# KiCad board ZX-Spectrum-Pentagon.kicad_pcb (continued)
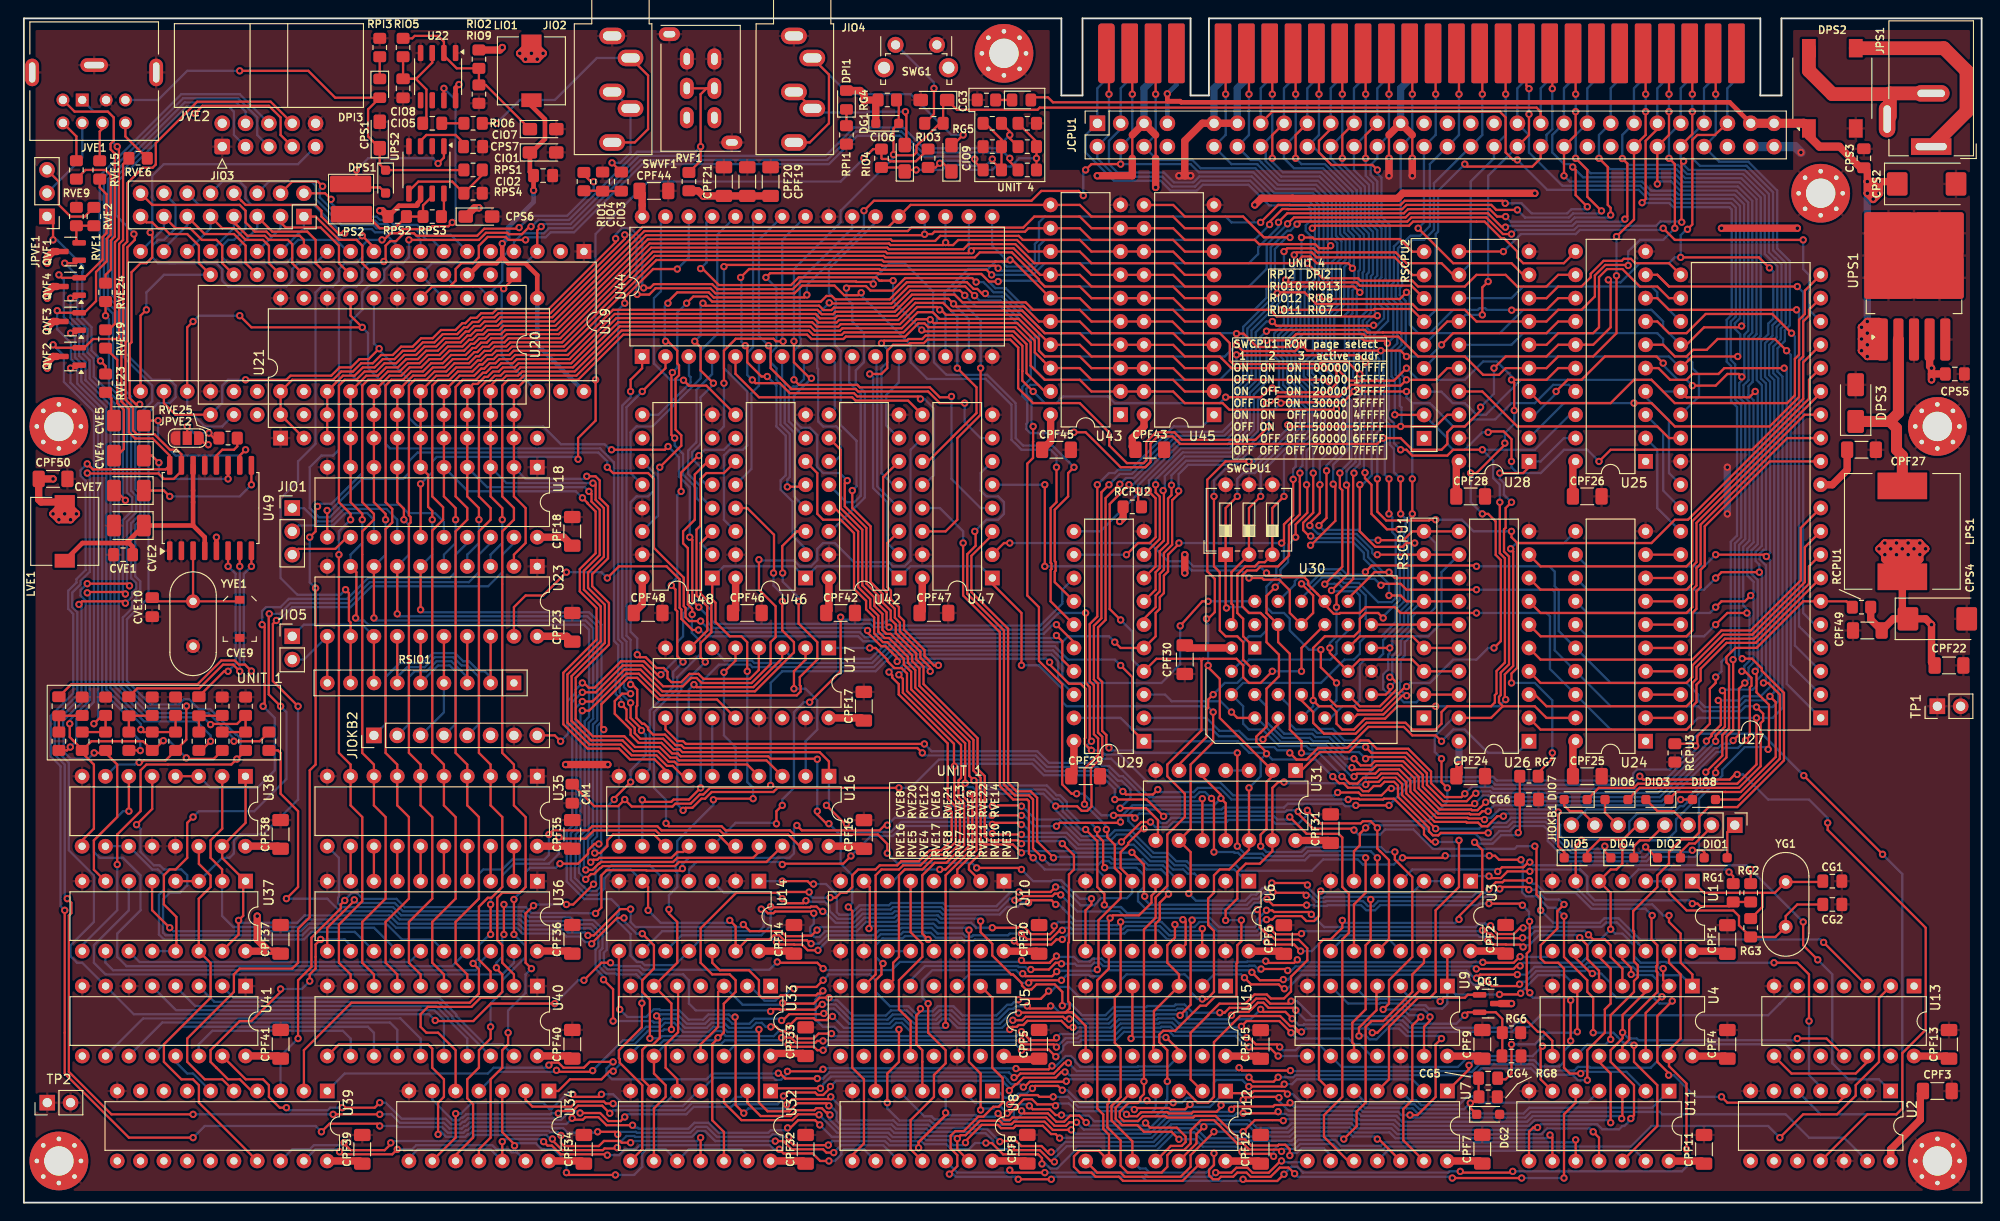
[diagram p0: board, top side]
## Routing (per net, layer and track width the routed paths; a pad name or vN(x,y) marks a point on that pad's centre or on a via; arc(x,y) is an arc through that point) (continued)
/SA11: length 100.9
  Top w0.25: v1(103.71,36.46) 108.41,36.46 v1(108.59,36.29) ; v1(72.74,64.07) 72.74,64.7 72.27,65.17 72.27,71.29 71.75,71.81 71.75,73.12 73.03,74.39 73.03,79.31 74.45,80.74 U48.6 ; v1(93.98,38.07) 93.98,39.07 92.95,40.1 83.82,40.1 83.37,40.55 76.39,40.55 75.94,41 70.22,41 v1(69.9,41.32) ; 115.56,27.39 115.56,31.83 116.21,32.48 v1(116.21,33.11)
  Bottom w0.25: v1(116.21,33.11) 114.94,33.11 112.94,35.11 112,35.11 111.91,35.02 109.86,35.02 v1(108.59,36.29) ; v1(93.98,38.07) 95.03,37.01 103.16,37.01 v1(103.71,36.46) ; v1(72.74,64.07) 72.7,64.03 72.7,62.08 73.66,61.12 73.66,59.78 71.12,57.24 71.12,55.97 68.58,53.43 68.58,45.18 69.9,43.86 v1(69.9,41.32)
/SA12: length 157.2
  Top w0.25: v1(95.25,45.18) 82.03,45.18 81.58,44.73 74.87,44.73 74.15,44 73.76,44 72.76,43.01 72.03,43.01 v1(71.75,42.74) ; v1(74.17,58.9) 73.66,59.4 73.66,60.95 74.84,62.12 74.84,65.16 73.66,66.33 73.66,71.85 U48.3 ; v1(119.62,44.79) 119.96,44.45 122.89,44.45 v1(123.43,44.99) ; U7.4 148.59,13.43 148.59,19.14 151.77,22.32 153.03,22.32 153.67,22.95 153.67,31.84 156.21,34.38 v1(156.21,39.46) ; v1(144.15,43.91) 144.24,44 145.28,44 145.37,43.91 147.96,43.91 148.05,44 149.14,44 152.4,40.73 152.4,40.1 153.21,39.29 v1(153.64,39.29)
  Bottom w0.25: v1(119.62,44.79) 117.75,46.66 117,46.66 116.65,47 111.2,47 109.94,48.26 99.6,48.26 96.52,45.18 v1(95.25,45.18) ; v1(123.43,44.99) 123.7,44.72 127.33,44.72 127.78,45.17 130.18,45.17 131.45,43.91 v1(144.15,43.91) ; v1(74.17,58.9) 74.17,58.89 71.57,56.3 71.57,55.79 71.12,55.34 71.12,43.37 v1(71.75,42.74) ; v1(156.21,39.46) 156.03,39.29 v1(153.64,39.29)
/SCRSEL: length 43.4
  Top w0.25: v1(71.75,58.9) 71.12,59.52 71.12,64.41 70.92,64.61 70.92,66.79 v1(70.48,67.23) ; v1(71.54,77.48) 71.54,79.52 73.4,81.38 v1(73.48,81.38)
  Bottom w0.25: v1(73.48,81.38) 73.48,81.38 74.11,82.01 76.2,82.01 U46.10 ; v1(70.48,67.23) 70.48,67.46 71.12,68.1 71.12,77.06 v1(71.54,77.48) ; v1(71.75,58.9) 70.67,57.82 70.67,56.16 68.13,53.62 68.13,47.27 U16.9
/TTLB: length 117.4
  Top w0.25: RVE4.2 8.89,48.99 ; 8.89,48.99 v1(7.65,48.99) ; 8.89,48.99 10.16,47.72 10.16,42 7.62,39.46 7.62,36.26 8.88,35.01 ; v1(11.49,67.19) 11.26,67.42 v1(6.9,67.42)
  Bottom w0.25: v1(6.9,67.42) 6.87,67.42 6.17,66.72 6.17,66.12 6.72,65.57 6.72,54.92 4.27,52.47 4.27,51.86 4.33,51.8 4.33,49.11 5.08,48.35 7.01,48.35 v1(7.65,48.99) ; v1(11.49,67.19) 11.22,67.46 11.22,74.18 12.22,75.18 12.22,77 11.67,77.55 11.67,87.81 10.16,89.32 10.16,97.01 8.7,98.46 8.7,111.67 17.33,120.29 23.31,120.29 25.4,118.2 25.4,116.3 JVE2.5
/TTLG: length 101.5
  Top w0.25: 17.68,53.82 17.68,50.43 RVE7.2 ; RVE7.2 15.42,48.17 13.03,48.17 12.82,47.96 v1(12.54,47.96) ; RVE7.2 16.78,49.26
  Bottom w0.25: JVE2.4 24.13,118.84 23.12,119.84 17.52,119.84 9.16,111.48 9.16,98.65 10.61,97.19 10.61,92.35 13.97,88.99 13.97,87.3 12.57,85.9 12.57,77.92 13.12,77.37 13.12,74.81 12.12,73.81 12.12,68.23 12.67,67.68 12.67,66.7 12.22,66.25 12.22,65.81 11.77,65.36 11.77,64.73 10.77,63.73 10.77,56.64 13.59,53.82 17.43,53.82 v1(17.71,54.09) ; 8.89,46.45 10.16,47.72 12.08,47.72 12.32,47.96 v1(12.54,47.96)
/TTLR: length 135.1
  Top w0.25: RVE10.2 23.19,48.32 v1(23.18,48.32) 22.58,47.72 13.34,47.72 12.7,47.08 12.7,42.64 10.16,40.1 v1(10.16,36.84)
  Bottom w0.25: v1(10.16,36.84) 10.16,31.85 6.34,28.02 6.34,27.39 ; v1(23.18,48.32) 23.59,48.72 23.59,50.56 23.16,50.98 23.07,50.98 20.29,53.77 19.05,53.77 19.05,53.78 18.01,54.82 17.41,54.82 16.98,54.4 16.98,54.27 13.78,54.27 11.22,56.83 11.22,63.55 13.57,65.89 13.57,86.05 14.6,87.09 15.88,87.09 16.51,87.72 16.51,88.99 15.88,89.63 13.97,89.63 11.06,92.54 11.06,97.38 9.61,98.83 9.61,111.3 17.7,119.39 22.3,119.39 22.86,118.84 22.86,116.3 JVE2.3
/TTLSYNC: length 153.7
  Top w0.25: 108.62,18.62 109.41,17.82 109.41,17.69 112.4,17.69 112.4,17.95 v1(112.4,17.96) ; v1(87.91,18.41) 86.51,18.41 85.97,17.88 84.22,17.88 83.6,18.5 82.96,18.5 82.77,18.69 82.37,18.69 81.91,19.14 v1(81.3,19.14) ; v1(137.92,18.51) 136.65,19.78 133.1,19.78 v1(132.52,19.2) ; v1(28.58,33.11) 29.84,34.38 29.84,42.64 27.94,44.54 27.94,48.99 27.67,49.26 RVE3.2 ; v1(64.13,19.78) 64.13,23.24 v1(63.09,24.29)
  Bottom w0.25: v1(112.4,17.96) 112.81,18.37 114.49,18.37 114.74,18.61 118.49,18.61 119.38,19.51 123.53,19.51 123.64,19.61 124.98,19.61 125.53,19.06 132.38,19.06 v1(132.52,19.2) ; v1(28.58,33.11) 33.02,33.11 34.4,31.74 39.99,31.74 40.89,30.84 54.01,30.84 54.65,30.2 59.07,30.2 59.39,29.88 61.65,29.88 62.53,29 62.53,27.9 62.23,27.59 62.23,25.46 63.18,24.5 63.18,24.38 v1(63.09,24.29) ; 147.33,15.96 146.69,15.96 145.42,17.24 144.85,17.24 144.21,17.88 138.56,17.88 v1(137.92,18.51) ; v1(64.13,19.78) 68.41,19.78 68.57,19.61 69.17,19.61 69.6,20.04 70.97,20.04 71.97,19.04 74.32,19.04 74.87,19.59 76.22,19.59 76.77,19.04 79.16,19.04 79.71,19.59 80.31,19.59 80.75,19.14 v1(81.3,19.14) ; v1(108.58,18.62) 108.56,18.62 108.08,18.14 88.19,18.14 v1(87.91,18.41)
/TTLY: length 123.2
  Top w0.25: v1(4.99,52.16) 4.99,50.71 6.35,49.35 RVE5.2 ; 6.35,38.83 6.35,39.46 7.62,40.73 7.62,47.72 6.35,48.99 RVE5.2 ; RVE5.2 7.35,50.26 12.97,50.26 RVE8.2 14.12,49.26 v1(15.18,50.32) ; RVE11.2 20.66,48.33 17.79,48.33 v1(17.68,48.44) ; v1(11.04,66.3) 10.83,66.52 6.99,66.52 v1(6.9,66.42)
  Bottom w0.25: JVE2.6 26.67,117.57 23.5,120.74 17.15,120.74 8.25,111.85 8.25,98.28 9.71,96.82 9.71,89.13 11.22,87.62 11.22,77.36 11.77,76.81 11.77,75.37 10.77,74.37 10.77,66.57 v1(11.04,66.3) ; v1(17.68,48.44) 15.8,50.32 v1(15.18,50.32) ; v1(6.9,66.42) 7.17,66.15 7.17,54.73 4.99,52.55 v1(4.99,52.16)
/VideoEncoder/BLUE: length 4.8
  Top w0.25: JVE1.8 11.05,116.14 RVE6.2
/VideoEncoder/CRMA: length 25.1
  Top w0.25: JVE1.3 5.52,118.84 9.14,118.84 9.78,118.2 9.78,115.67 9.43,115.33 9.43,114.73 9.86,114.3 9.89,114.3 9.89,105.24 9.46,104.81 9.46,101.63 8.89,101.06 RVE24.1
/VideoEncoder/CVIDEO: length 20.1
  Top w0.25: v1(3.18,104.87) 3.18,106.76 JPVE1.1 ; v1(8.33,91.68) 8.89,91.12 RVE23.1
  Bottom w0.25: v1(8.33,91.68) 8.05,91.96 8.05,92.13 7.37,92.82 7.37,95.36 6.35,96.37 6.35,101.35 6.44,101.44 6.44,102.04 3.61,104.87 v1(3.18,104.87)
/VideoEncoder/ENBLUE: length 36.9
  Top w0.25: CVE8.2 5.17,56.47 18.91,56.47 21.49,59.05 22.96,59.05 23.41,58.6 24.06,58.6 v1(24.77,57.9) ; U49.8 v1(24.77,69.31)
  Bottom w0.25: v1(24.77,69.31) 23.95,68.49 23.95,58.72 v1(24.77,57.9)
/VideoEncoder/ENGREEN: length 26.9
  Top w0.25: CVE6.2 12.34,56.02 19.1,56.02 21.68,58.6 22.77,58.6 v1(23.49,57.88) ; U49.7 v1(23.49,69.31)
  Bottom w0.25: v1(23.49,57.88) v1(23.49,69.31)
/VideoEncoder/ENRED: length 18.2
  Top w0.25: U49.6 v1(22.23,69.31) ; v1(22.23,57.88) 21.79,57.88 19.05,55.14 CVE3.2
  Bottom w0.25: v1(22.23,69.31) 23.05,68.49 23.05,58.7 v1(22.23,57.88)
/VideoEncoder/GREEN: length 4.7
  Top w0.25: RVE9.2 5.71,116.14 JVE1.6
/VideoEncoder/LUMA: length 28.4
  Top w0.25: RVE19.1 9.25,95.07 9.91,95.73 9.91,104.62 10.34,105.05 10.34,114.84 v1(10.16,115.03)
  Bottom w0.25: v1(10.16,115.03) 9.78,115.41 9.78,118.2 9.14,118.84 7.62,118.84 JVE1.1
/VideoEncoder/RED: length 4.3
  Top w0.25: 8.13,113.49 8.25,113.62 8.25,116.68 8.55,116.98 JVE1.7
/VideoEncoder/SYNC: length 9.1
  Top w0.25: RVE2.1 6.62,107.41 5.08,107.41 3.81,108.68 3.81,111.21 JPVE1.3
/VideoEncoder/VIDEO: length 9.2
  Bottom w0.25: JVE1.4 6.35,113.8 JPVE1.2
/VideoFormating/512KMOD: length 162.8
  Top w0.25: v1(31.12,72.48) 31.75,73.12 31.75,75.63 v1(31.96,75.84) ; SWVF1.2 SWVF1.5 74.31,121.38 73.66,120.73 v1(73.66,115.03) 73.66,113.49 RVF1.2 ; U39.5 21.59,13.43 19.69,13.43 17.78,15.33 17.78,17.88 22.86,22.95 22.86,24.86 23.49,25.49 29.21,25.49 29.84,26.13 29.84,29.81 31.12,31.08 31.12,47.08 31.75,47.72 v1(31.75,66.94) ; v1(55.2,106.32) 55.03,106.32 54.2,105.49 52.77,105.49 52.62,105.64 50.3,105.64 49.53,104.87 v1(41.91,104.87)
  Bottom w0.25: v1(55.2,106.32) 55.28,106.32 56,107.04 59.32,107.04 66.75,114.47 73.1,114.47 v1(73.66,115.03) ; v1(31.12,72.48) 31.12,67.57 v1(31.75,66.94) ; v1(41.91,104.87) 41.91,102.97 41.27,102.33 40.01,102.33 39.22,101.54 39.22,100.6 38.56,99.94 37.62,99.94 36.83,99.16 36.83,97.25 35.56,95.98 35.56,90.26 36.83,88.99 36.83,79.47 34.27,76.91 34.27,76.91 33.48,76.12 32.25,76.12 v1(31.96,75.84)
/VideoFormating/BLUE_INK: length 58.5
  Bottom w0.25: 11.41,35.01 11.41,31.83 7.62,28.03 7.62,26.13 8.89,24.86 52.07,24.86 52.89,25.68 52.89,25.68 53.34,26.13 53.34,27.4
/VideoFormating/BLUE_PAPER: length 37.4
  Top w0.25: 13.95,35.01 13.95,31.86 15.87,29.94 v1(15.88,29.94)
  Bottom w0.25: 45.72,27.41 44.46,28.67 41.15,28.67 39.43,30.39 30.93,30.39 30.11,29.57 16.25,29.57 v1(15.88,29.94)
/VideoFormating/BRIGHT: length 39.2
  Bottom w0.25: 38.1,27.41 36.84,28.67 36.83,28.67 36.01,29.49 31.31,29.49 30.49,28.67 15.24,28.67 14.7,29.21 14.7,33.53 15.24,34.07 15.24,35.65 14.6,36.29 13.97,36.29 11.43,38.83 8.89,38.83
/VideoFormating/FLASL_BIT: length 31
  Top w0.25: v1(27.94,23.27) 27.94,22.95 24.77,19.78 23.49,19.78 20.32,16.6 20.32,15.33 20.95,14.7 22.23,13.43 23.51,13.43 24.78,12.16 U39.4 ; v1(31.12,24.14) 31.12,24.86 31.75,25.49 31.75,28.12 v1(32.3,28.67)
  Bottom w0.25: v1(27.94,23.27) 30.25,23.27 v1(31.12,24.14) ; 35.56,27.4 35.56,28.03 34.92,28.67 v1(32.3,28.67)
/VideoFormating/GREEN_INK: length 65.5
  Top w0.25: v1(11.43,42.64) 11.43,46.45
  Bottom w0.25: 48.26,27.4 46.62,25.76 11.16,25.76 10.16,26.76 10.16,29.3 12.7,31.84 12.7,35.65 10.79,37.56 8.25,37.56 7.62,38.19 7.62,39.46 10.79,42.64 v1(11.43,42.64)
/VideoFormating/GREEN_PAPER: length 50.3
  Top w0.25: v1(12.26,41.18) 13.97,42.89 13.97,46.45
  Bottom w0.25: 40.64,27.41 38.11,29.94 31.12,29.94 30.3,29.12 15.43,29.12 15.15,29.4 15.15,33.02 15.88,33.75 16.98,33.75 17.78,34.55 17.78,35.65 17.15,36.29 15.24,36.29 14.79,36.74 14.16,36.74 12.7,38.2 12.7,40.73 v1(12.26,41.18)
/VideoFormating/RED_INK: length 44.7
  Bottom w0.25: 8.88,27.39 8.88,26.14 9.71,25.31 49.17,25.31 49.62,25.76 49.62,26.15 50.8,27.33 50.8,27.4
/VideoFormating/RED_PAPER: length 32.8
  Bottom w0.25: 43.18,27.41 41.98,26.21 12.59,26.21 11.41,27.39
/VideoFormating/SERDATA: length 5.8
  Bottom w0.25: 16.52,15.98 16.52,15.33 17.78,14.06 18.41,14.06 U39.6
/VSYNC: length 315.8
  Top w0.25: v1(143.67,6.92) 145.07,8.32 145.07,9.91 146.05,10.89 146.05,19.14 146.69,19.78 147.96,19.78 151.13,22.95 151.13,24.86 152.4,26.13 U3.12 ; v1(86.63,8.47) 86.12,8.98 84.27,8.98 83.43,8.14 v1(83.13,8.14) ; JVE2.7 27.94,116.3 27.94,118.2 26.67,119.47 19.44,119.47 v1(18.61,118.65) ; v1(104.72,6.5) 105.36,6.5 106.59,5.26 110.4,5.26 110.82,4.85 v1(110.82,4.22) ; v1(18.41,9.62) 9.53,9.62 4.89,14.25 4.89,31.27 5.17,31.54 5.17,32.66 v1(4.72,33.11) ; v1(6.9,79.47) 6.94,79.42 14.65,79.42 15.24,78.83 16.3,78.83 17.15,79.68 U49.15 17.15,81.52 16.65,82.01 15.9,82.01 14.23,83.68 12.32,83.68 11.88,84.12 11.88,86.64 11.06,87.46 11.06,93.7 11.27,93.91 11.27,104.06 12.06,104.86 12.06,105.41 v1(11.97,105.5) ; v1(66.25,8.43) 63.42,8.43 62.54,9.31 61.12,9.31 60.84,9.03 59.84,9.03 v1(59.68,9.2) ; v1(33.66,9.62) v1(38.73,9.62)
  Bottom w0.25: v1(59.68,9.2) 59.04,8.56 57.68,8.56 57.52,8.72 48.51,8.72 48.13,8.35 47.95,8.35 47.67,8.07 46.33,8.07 45.7,8.69 40.93,8.69 40,9.62 v1(38.73,9.62) ; v1(104.72,6.5) 103.56,6.5 102.87,5.81 100.96,5.81 100.41,6.36 98.03,6.36 97.69,6.7 94.37,6.7 93.91,7.16 87.94,7.16 v1(86.63,8.47) ; v1(110.82,4.22) 111.2,4.22 111.7,3.72 112.47,3.72 114.45,5.7 123.33,5.7 125.27,7.64 127.4,7.64 128.49,6.55 133.2,6.55 133.4,6.76 138.01,6.76 138.55,7.29 143.31,7.29 v1(143.67,6.92) ; v1(18.41,9.62) v1(33.66,9.62) ; v1(6.9,79.47) 7.17,79.2 7.17,68.72 6.17,67.72 6.17,67.36 5.27,66.46 5.27,64.86 5.82,64.31 5.82,55.29 3.36,52.83 3.36,48.8 4.45,47.72 4.45,33.39 v1(4.72,33.11) ; v1(66.25,8.43) 66.52,8.16 66.81,8.16 66.91,8.06 72.34,8.06 72.99,8.7 74.53,8.7 75.63,7.61 81.03,7.61 81.3,7.88 82.86,7.88 v1(83.13,8.14) ; v1(11.97,105.5) 11.97,105.6 10.05,107.51 10.05,111.11 17.59,118.65 v1(18.61,118.65)
/~{C2}: length 175.3
  Top w0.25: v1(34.65,10.34) 38.19,10.34 v1(38.73,10.89) ; 171.45,27.39 171.45,26.76 172.72,25.49 172.72,21.68 172.09,21.05 172.09,18.51 170.18,16.6 v1(170.18,13.34) ; v1(113.32,14.23) 112.91,14.23 112.3,13.61 108.79,13.61 108.08,12.9 107.96,12.9 v1(107.27,12.21) ; v1(82.68,11.61) 83.07,12 86.13,12 86.4,11.73 87,11.73 87.79,12.51 v1(87.79,12.65) ; 21.59,15.98 24.15,13.43 26.03,13.43 26.67,12.79 26.67,11.53 27.85,10.34 v1(28.58,10.34) ; v1(65.41,9.33) 64.96,8.88 63.6,8.88 62.73,9.76 v1(60.54,9.76) ; v1(133.35,13.66) 133.83,13.18 136.04,13.18 v1(136.53,13.66)
  Bottom w0.25: v1(107.27,12.21) 107.27,12.48 106.61,13.14 106.61,13.22 106.54,13.28 88.42,13.28 v1(87.79,12.65) ; v1(60.54,9.76) 60.36,9.94 59.4,9.94 58.47,9.01 57.87,9.01 57.71,9.17 48.32,9.17 47.95,8.8 47.76,8.8 47.49,8.52 46.51,8.52 45.89,9.14 41.12,9.14 39.37,10.89 v1(38.73,10.89) ; v1(82.68,11.61) 82.68,11.35 82.04,10.7 77.29,10.7 77.02,10.44 72.92,10.44 72.1,9.62 65.69,9.62 v1(65.41,9.33) ; v1(133.35,13.66) 133.08,13.94 121.62,13.94 121.56,13.88 113.84,13.88 113.48,14.23 v1(113.32,14.23) ; v1(28.58,10.34) 28.85,10.07 33.08,10.07 33.35,10.34 v1(34.65,10.34) ; v1(136.53,13.66) 137.56,13.66 138.16,13.66 138.38,13.88 156.72,13.88 156.82,13.79 157.79,13.79 158.62,14.62 164.03,14.62 164.71,13.94 168.56,13.94 169.15,13.34 v1(170.18,13.34)
/~{C25}: length 275.9
  Top w0.25: v1(190.5,26.13) 193.04,26.13 194.31,24.86 v1(194.31,19.78) ; v1(112.94,26.02) 112.83,26.13 112.31,26.13 111.57,25.4 v1(109.61,25.4) ; v1(172.72,29.79) 172.72,33.74 171.45,35.01 ; v1(134.67,25.45) 137.4,25.45 v1(137.57,25.28) ; v1(173.99,38.83) 173.99,36.92 173.36,36.29 172.72,36.29 171.46,35.02 171.46,35.01 ; v1(186.04,59.15) 186.06,59.16 186.06,51.48 185.33,50.75 185.33,48.5 184.15,47.33 v1(184.15,46.83) ; 134.62,117.57 135.88,118.83 160.66,118.83 161.29,118.2 161.29,114.39 162.1,113.58 v1(162.56,113.58) ; v1(162.86,25.79) 162.49,25.79 162.15,25.46 v1(158.1,25.46)
  Bottom w0.25: v1(173.99,38.83) 175.26,38.83 175.9,39.47 178.82,39.47 179.83,40.48 179.83,41.74 181.52,43.42 181.52,43.81 183.87,46.17 183.87,46.55 v1(184.15,46.83) ; 195.59,12.15 196.05,12.15 194.31,13.89 v1(194.31,19.78) ; 96.52,23.59 96.52,24.22 98.06,25.77 108.18,25.77 108.28,25.67 109.02,25.67 109.29,25.4 v1(109.61,25.4) ; v1(162.86,25.79) 163.2,26.13 169.55,26.13 170.18,26.76 170.18,28.02 170.83,28.67 171.6,28.67 v1(172.72,29.79) 173.2,29.3 173.99,29.3 175.26,28.03 175.26,26.84 175.97,26.13 178.04,26.13 178.13,26.22 178.74,26.22 178.83,26.13 v1(190.5,26.13) ; 134.62,117.57 134.62,121.38 135.61,122.37 XMCPU1.A8 ; v1(162.56,113.58) 165.82,110.32 175.77,110.32 176.75,109.34 179.28,109.34 179.73,108.89 185.83,108.89 186.34,108.38 186.34,96.52 185.8,95.97 185.8,91.8 186.28,91.32 186.28,87.5 186.93,86.85 186.93,72.48 186.24,71.8 186.24,59.98 186.24,59.97 186.24,59.35 v1(186.04,59.15) ; v1(134.67,25.45) 134.39,25.18 134.39,25.39 133.97,25.82 133.37,25.82 133.31,25.76 117.47,25.76 ; v1(137.57,25.28) 137.96,25.28 138.4,25.73 157.82,25.73 v1(158.1,25.46) ; v1(112.94,26.02) 114.41,26.02 114.61,25.81 116.21,25.81 116.52,26.13 117.13,26.13 117.44,25.81
/~{CAS}: length 161.3
  Top w0.25: v1(82.58,21.75) 82.65,21.68 85.97,21.68 86.6,22.32 v1(87.63,22.32) ; v1(90.17,77.56) 90.17,75.66 92.16,73.67 92.16,67.61 93.48,66.29 93.48,65.37 94.35,64.49 94.35,63.53 94.9,62.98 94.9,62.04 95.25,61.69 95.25,61.69 97.13,59.81 97.13,59.18 97.93,58.38 97.93,56.47 103.81,50.59 103.81,47.25 104.59,46.47 104.59,39.9 105.03,39.46 108.23,39.46 v1(108.59,39.1) ; v1(108.26,20.65) 108.31,20.7 113.37,20.7 113.83,21.16 113.83,21.76 113.67,21.92 113.67,28.28 113.75,28.37 113.75,35.74 114.3,36.29 114.3,37.84 v1(113.03,39.11) ; 115.58,15.96 115.58,19.25 114.09,20.73 113.35,20.73 ; U33.11 73.66,17.25 75.56,19.14 75.56,22.95 U33.3
  Bottom w0.25: v1(108.26,20.65) 107.4,20.65 106.24,19.49 101.82,19.49 100.82,20.49 99.84,20.49 99.29,19.94 97.11,19.94 96.11,20.94 94.39,20.94 93.84,20.39 90.2,20.39 89.64,20.95 89.64,20.96 88.55,22.04 87.91,22.04 v1(87.63,22.32) ; v1(113.03,39.11) 112.75,39.38 108.87,39.38 v1(108.59,39.1) ; v1(82.58,21.75) 82.39,21.56 78.24,21.56 U33.3 ; 92.69,107.41 92.69,106.76 87.63,101.69 87.63,99.07 88.39,98.31 88.39,97.71 88.26,97.59 88.26,93.44 88.9,92.8 88.9,84.71 90.64,82.98 90.64,78.03 v1(90.17,77.56)
/~{FQUATER}: length 128.7
  Top w0.25: v1(71.68,36.39) 71.46,36.16 67.79,36.16 67.74,36.21 63.42,36.21 62.87,35.65 62.87,32.14 v1(62.23,31.5) ; v1(51.43,25.58) 51.43,25.49 52.07,24.86 52.07,22.95 51.43,22.32 49.71,22.32 48.71,21.32 43.98,21.32 43.18,20.53 43.18,19.14 43.82,18.51 45.09,18.51 46.99,16.6 U34.5 ; v1(84.14,41.09) 84.68,40.55 93.14,40.55 93.71,41.12 v1(93.98,41.12) ; U31.11 130.81,43.52 v1(130.3,44.03) 130.3,44.42 128.28,46.44 U31.5 ; v1(108.58,42.18) 108.57,42.19 105.41,42.19 v1(105.4,42.2) ; v1(119.36,41.46) 119.27,41.37 112.76,41.37 v1(112.4,41.01) ; v1(52.25,29.22) v1(52.25,32.48)
  Bottom w0.25: v1(105.4,42.2) 105.12,41.93 94.79,41.93 v1(93.98,41.12) ; v1(112.4,41.01) 110.04,41.01 108.87,42.18 v1(108.58,42.18) ; v1(119.36,41.46) 119.36,41.98 120.65,43.27 129.54,43.27 v1(130.3,44.03) ; v1(52.25,29.22) 52.07,29.04 52.07,26.76 51.43,26.13 v1(51.43,25.58) ; v1(71.68,36.39) 71.68,36.86 72.39,37.56 83.35,37.56 83.82,38.03 83.82,40.76 v1(84.14,41.09) ; v1(62.23,31.5) 59.45,31.55 55.24,31.55 54.61,32.19 52.54,32.19 v1(52.25,32.48)
/~{IN254}: length 75.3
  Top w0.25: v1(63.5,68.04) 64.77,69.31 69.95,69.31 71.37,67.89 71.37,64.79 71.57,64.6 71.57,63.59 72.78,62.38 v1(73.43,62.38) ; U29.17 113.03,59.15 113.03,61.14 v1(112.4,61.78) ; U23.19 53.34,64.86 54.61,66.13 56.51,66.13 v1(59.05,68.67)
  Bottom w0.25: v1(73.43,62.38) 73.57,62.23 73.75,62.23 74.29,61.69 90.8,61.69 91.35,61.14 92.75,61.14 93.11,61.5 112.12,61.5 v1(112.4,61.78) ; v1(59.05,68.67) 62.87,68.67 v1(63.5,68.04)
/~{INT}: length 141.8
  Top w0.25: RG7.1 164.83,46.81 166.37,48.35 v1(166.37,48.99) ; v1(147.32,78.83) 147.32,75.27 148.29,74.3 152.94,74.3 153.03,74.39 v1(153.67,74.39) ; v1(148.59,120.74) 148.59,124.91 XMCPU1.B13 ; 162.56,71.85 162.56,58.27 161.93,57.63 v1(161.93,56.61) ; 162.56,71.85 161.93,72.48 v1(161.93,73.12) ; 162.56,71.85 177.17,71.85 179.71,74.39 181.13,74.39 194.31,87.57 194.31,89.63 195.58,90.9
  Bottom w0.25: v1(161.93,56.61) 164.47,56.61 166.37,54.7 v1(166.37,48.99) ; v1(148.59,120.74) 148.59,116.3 147.32,115.03 147.32,113.76 146.6,113.04 146.6,111.95 147.32,111.23 147.32,107.21 148.22,106.31 148.22,100.61 147.97,100.36 147.97,98.07 148.5,97.55 148.5,96.04 146.97,94.51 146.97,92.43 147.52,91.88 147.52,89.42 147.6,89.34 147.6,84.19 147.23,83.82 147.23,82.98 147.32,82.89 v1(147.32,78.83) ; v1(161.93,73.12) 157.8,73.12 156.53,74.39 v1(153.67,74.39)
/~{MREQ}: length 176.4
  Top w0.25: v1(149.23,38.2) 149.23,37.37 151.13,35.47 151.13,26.76 148.59,24.22 148.59,21.67 v1(147.96,21.04) ; XMCPU1.B16 156.21,124.91 v1(156.21,120.74) ; U7.13 150.15,6.79 150.15,10.2 151.13,11.18 151.13,19.3 v1(152.05,20.22) ; v1(134.62,38.83) 134.62,40.08 135.25,40.72 135.25,45.81 135.9,46.45 U31.2 130.18,52.79 130.18,57.05 128.91,58.32 v1(128.91,58.51) ; U28.18 154.94,85.82 153.67,84.55 v1(149.86,84.55) 137.73,84.55 v1(137.57,84.71) ; v1(128.73,63.59) 128.91,63.59 129.63,64.32 129.63,67.95 128.81,68.76 128.81,78.74 130.81,80.74 v1(133.35,80.74)
  Bottom w0.25: v1(149.86,84.55) 149.95,84.64 149.95,86.61 149.77,86.79 149.77,89.72 149.32,90.17 149.32,92.8 149.96,93.43 149.96,98.03 149.32,98.66 149.32,99.8 149.57,100.05 149.57,103.95 150.94,105.32 151.97,105.32 153.03,106.38 153.03,113.12 156.21,116.3 v1(156.21,120.74) ; v1(152.05,20.22) 151.86,20.41 150.78,20.41 150.16,21.04 v1(147.96,21.04) ; v1(137.57,84.71) 137.57,84.32 133.98,80.74 v1(133.35,80.74) ; v1(134.62,38.83) 135.25,38.19 139.06,38.19 139.6,38.73 147.72,38.73 148.26,38.19 149.22,38.19 v1(149.23,38.2) ; v1(128.73,63.59) 128.73,63.14 128.91,62.96 v1(128.91,58.51)
/~{OUT254}: length 105.1
  Top w0.25: v1(112.4,62.96) 114.3,61.05 U29.16 ; U18.11 33.02,75.38 v1(33,75.4) ; v1(73.66,63.35) 72.44,63.35 72.02,63.77 72.02,64.78 71.82,64.98 71.82,68.08 68.58,71.32 68.58,78.83 67.94,79.47 64.13,79.47 v1(63.5,80.1)
  Bottom w0.25: v1(63.5,80.1) 63.5,80.74 62.53,81.7 42.85,81.7 41.91,80.76 41.91,79.47 41.27,78.83 36.83,78.83 35.56,77.56 ; v1(73.66,63.35) 74.87,62.14 90.99,62.14 91.53,61.59 92.56,61.59 92.92,61.95 111,61.95 112.01,62.96 v1(112.4,62.96) ; 35.56,77.56 34.46,76.46 34.46,76.46 33.39,75.4 v1(33,75.4)
/~{PIXCLK}: length 287
  Top w0.25: v1(13.75,105.68) 13.97,105.46 13.97,102.97 13.34,102.33 12.7,102.33 11.71,101.34 11.71,93.72 11.51,93.52 11.51,87.65 12.2,86.96 v1(12.6,86.96) ; 112.09,26.58 111.67,26.16 ; v1(87,25.49) 86.36,26.13 82.09,26.13 v1(82,26.22) ; v1(57.79,21.68) 50.82,21.68 48.92,19.78 44.84,19.78 v1(44.77,19.85) ; v1(135.18,26.31) 135.38,26.11 138.27,26.11 v1(138.61,26.46) ; v1(11.04,65.3) 10.84,65.5 6.33,65.5 v1(6,65.16) ; v1(60.96,24.22) 62.87,26.13 v1(63.85,26.13) ; 111.67,26.13 111.66,26.12 108.86,26.12 v1(108.59,26.39) ; v1(162.86,26.79) 162.84,26.79 162.17,26.13 158.85,26.13 v1(158.8,26.18) ; v1(112.4,26.86) 112.12,26.58
  Bottom w0.25: v1(44.77,19.85) 44.1,20.52 11.98,20.52 8.89,23.6 ; v1(138.61,26.46) 138.89,26.18 v1(158.8,26.18) ; v1(57.79,21.68) 60.32,24.22 v1(60.96,24.22) ; v1(12.6,86.96) 12.12,86.47 12.12,77.73 12.67,77.18 12.67,74.99 11.67,73.99 11.67,68.04 12.22,67.49 12.22,66.89 11.79,66.47 11.77,66.47 11.77,66 11.07,65.3 v1(11.04,65.3) ; 166.37,27.39 165.75,26.76 162.89,26.76 v1(162.86,26.79) ; v1(82,26.22) 81.15,25.37 67.44,25.37 67.05,25.76 64.9,25.76 64.8,25.85 64.13,25.85 v1(63.85,26.13) ; v1(108.59,26.39) 108.41,26.22 95.34,26.22 94.45,25.33 87.16,25.33 v1(87,25.49) ; v1(112.4,26.86) 112.49,26.76 114.3,26.76 114.8,26.26 116.02,26.26 116.34,26.58 117.31,26.58 117.68,26.21 133.13,26.21 133.18,26.27 135.13,26.27 v1(135.18,26.31) ; 8.89,23.59 8.89,23.59 6.35,26.13 5.79,26.13 5.08,26.84 5.08,28.03 7.62,30.57 7.62,35.65 4.89,38.38 4.89,47.9 3.81,48.99 3.81,52.65 6.27,55.11 6.27,64.89 v1(6,65.16) ; JVE2.9 29.84,113.12 15.23,113.12 13.97,111.85 13.97,105.9 v1(13.75,105.68)
/~{RD}: length 257
  Top w0.25: 128.36,59.24 123.28,59.24 U29.4 ; 128.36,59.24 128.18,59.06 128.18,51.44 124.46,47.72 124.46,46.45 126.37,44.54 126.37,42 124.46,40.1 124.46,34.51 123.19,33.24 123.19,33.11 ; 128.36,59.24 131.99,59.24 132.71,58.51 132.71,57.25 133.35,56.61 134.62,56.61 v1(135.89,57.88) ; U32.1 81.57,12.45 v1(86.7,12.45) ; U28.12 155.58,101.06 154.31,102.33 150.5,102.33 149.32,103.51 140.82,103.51 140.37,103.95 137.52,103.95 v1(137.16,103.6) ; v1(108.79,12.59) 108.9,12.59 109.48,13.16 113.4,13.16 v1(113.46,13.23) ; 123.19,33.11 123.19,31.03 121.92,29.76 v1(121.92,13.21) 121.92,11.82 121.52,11.42 121.52,11.12 121.26,10.86 120.23,10.86 119.29,9.92 119.29,9.32 119.71,8.89 121.29,8.89 121.8,9.4 124.28,9.4 124.42,9.26 127.28,9.26 127.46,9.44 129.72,9.44 132.27,6.89 132.9,6.89 133.58,6.22 136.51,6.22 136.6,6.31 137.3,6.31 137.8,5.81 v1(137.8,5.13) ; v1(161.29,120.74) 161.29,124.91 XMCPU1.B18 ; v1(139.06,57.88) 139.06,60.42 U30.24 ; v1(119.38,63.47) 118.19,64.66 118.19,76.1 v1(120.29,78.2)
  Bottom w0.25: v1(119.38,63.47) 120.65,62.2 120.65,59.15 U29.4 ; v1(113.46,13.23) 113.67,13.43 121.7,13.43 v1(121.92,13.21) ; U7.9 142.24,5.17 141.47,5.94 139.11,5.94 138.57,5.41 138.07,5.41 v1(137.8,5.13) ; v1(161.29,120.74) 161.29,116.3 160.02,115.03 160.02,113.76 157.48,111.22 157.48,102.33 U28.12 ; v1(137.16,103.6) 137.16,101.69 136.62,101.16 136.62,100.22 137.15,99.69 137.15,98.55 133.63,95.03 133.63,89.67 132.53,88.57 132.53,84.76 130.84,83.07 125.59,83.07 120.72,78.2 v1(120.29,78.2) ; v1(139.06,57.88) v1(135.89,57.88) ; v1(108.79,12.59) 108.48,12.9 107.48,12.9 107.06,13.33 107.06,13.4 106.73,13.73 87.85,13.73 86.99,12.88 86.99,12.79 86.7,12.5 v1(86.7,12.45)
/~{RESET}: length 296.1
  Top w0.25: 109.22,119.04 110.34,119.04 110.58,119.28 164.66,119.28 165.1,118.84 165.1,117.57 ; v1(94.18,62.68) 93.9,62.95 93.9,64.31 93.03,65.18 93.03,66.1 91.71,67.42 91.71,73.49 89.35,75.85 89.35,78.38 v1(89.62,78.65) ; v1(116.21,50.26) 116.02,50.44 116.02,56.16 115.57,56.61 v1(115.57,64.23) ; JIOKB2.8 57.79,50.89 v1(58.42,50.26) ; v1(83.82,93.83) 83.82,91.53 85.56,89.8 v1(85.72,89.8) ; v1(129.27,44.03) 129.54,43.76 v1(129.54,38.19) ; v1(69.34,57.51) 68.95,57.51 67.5,58.96 64.99,58.96 62.12,56.09 61.48,56.09 60.96,56.61 v1(60.79,56.61) ; v1(146.05,37.56) 146.05,33.75 144.78,32.48 U3.9 ; 109.14,119.04 101.56,119.04 CG3.1 100.06,119.67 RG5.1 99.69,117.57 97.79,115.66 97.72,115.66 97.16,115.1 97.16,114.39 96.84,114.08 94.73,114.08 v1(94.66,114.16) 94.66,117 DG1.2 95.23,119.86 RG4.2
  Bottom w0.25: XMCPU1.A20 166.09,122.37 165.1,121.38 165.1,117.57 ; v1(94.66,114.16) 94.66,113.8 88.9,108.04 88.9,106.78 83.82,101.7 v1(83.82,93.83) ; v1(129.54,38.19) 131.69,38.19 131.78,38.1 132.17,38.1 132.71,37.56 134.62,37.56 134.88,37.29 139.44,37.29 139.97,37.83 145.78,37.83 v1(146.05,37.56) ; v1(58.42,50.26) 59.24,51.08 59.24,51.98 59.17,52.05 59.17,54.63 60.07,55.53 60.07,55.89 60.79,56.61 v1(60.79,56.61) ; v1(69.34,57.51) 71.12,59.29 71.12,61.05 71.75,61.69 71.75,64.18 73.16,65.59 73.76,65.59 74.84,64.52 74.84,63.45 75.23,63.05 92.13,63.05 92.5,62.68 v1(94.18,62.68) 94.45,62.4 110.81,62.4 112.64,64.23 v1(115.57,64.23) ; v1(116.21,50.26) 116.18,50.26 115.48,49.56 115.48,48.96 116.09,48.35 118.36,48.35 122.54,44.17 127.42,44.17 127.97,44.72 128.57,44.72 v1(129.27,44.03) ; v1(89.62,78.65) 88.8,79.47 87,79.47 86.36,80.1 86.36,83.6 85.56,84.4 84.62,84.4 83.82,85.21 83.82,87.89 v1(85.72,89.8)
